# KiCad board panel.opm-inline.kicad_pcb (continued)
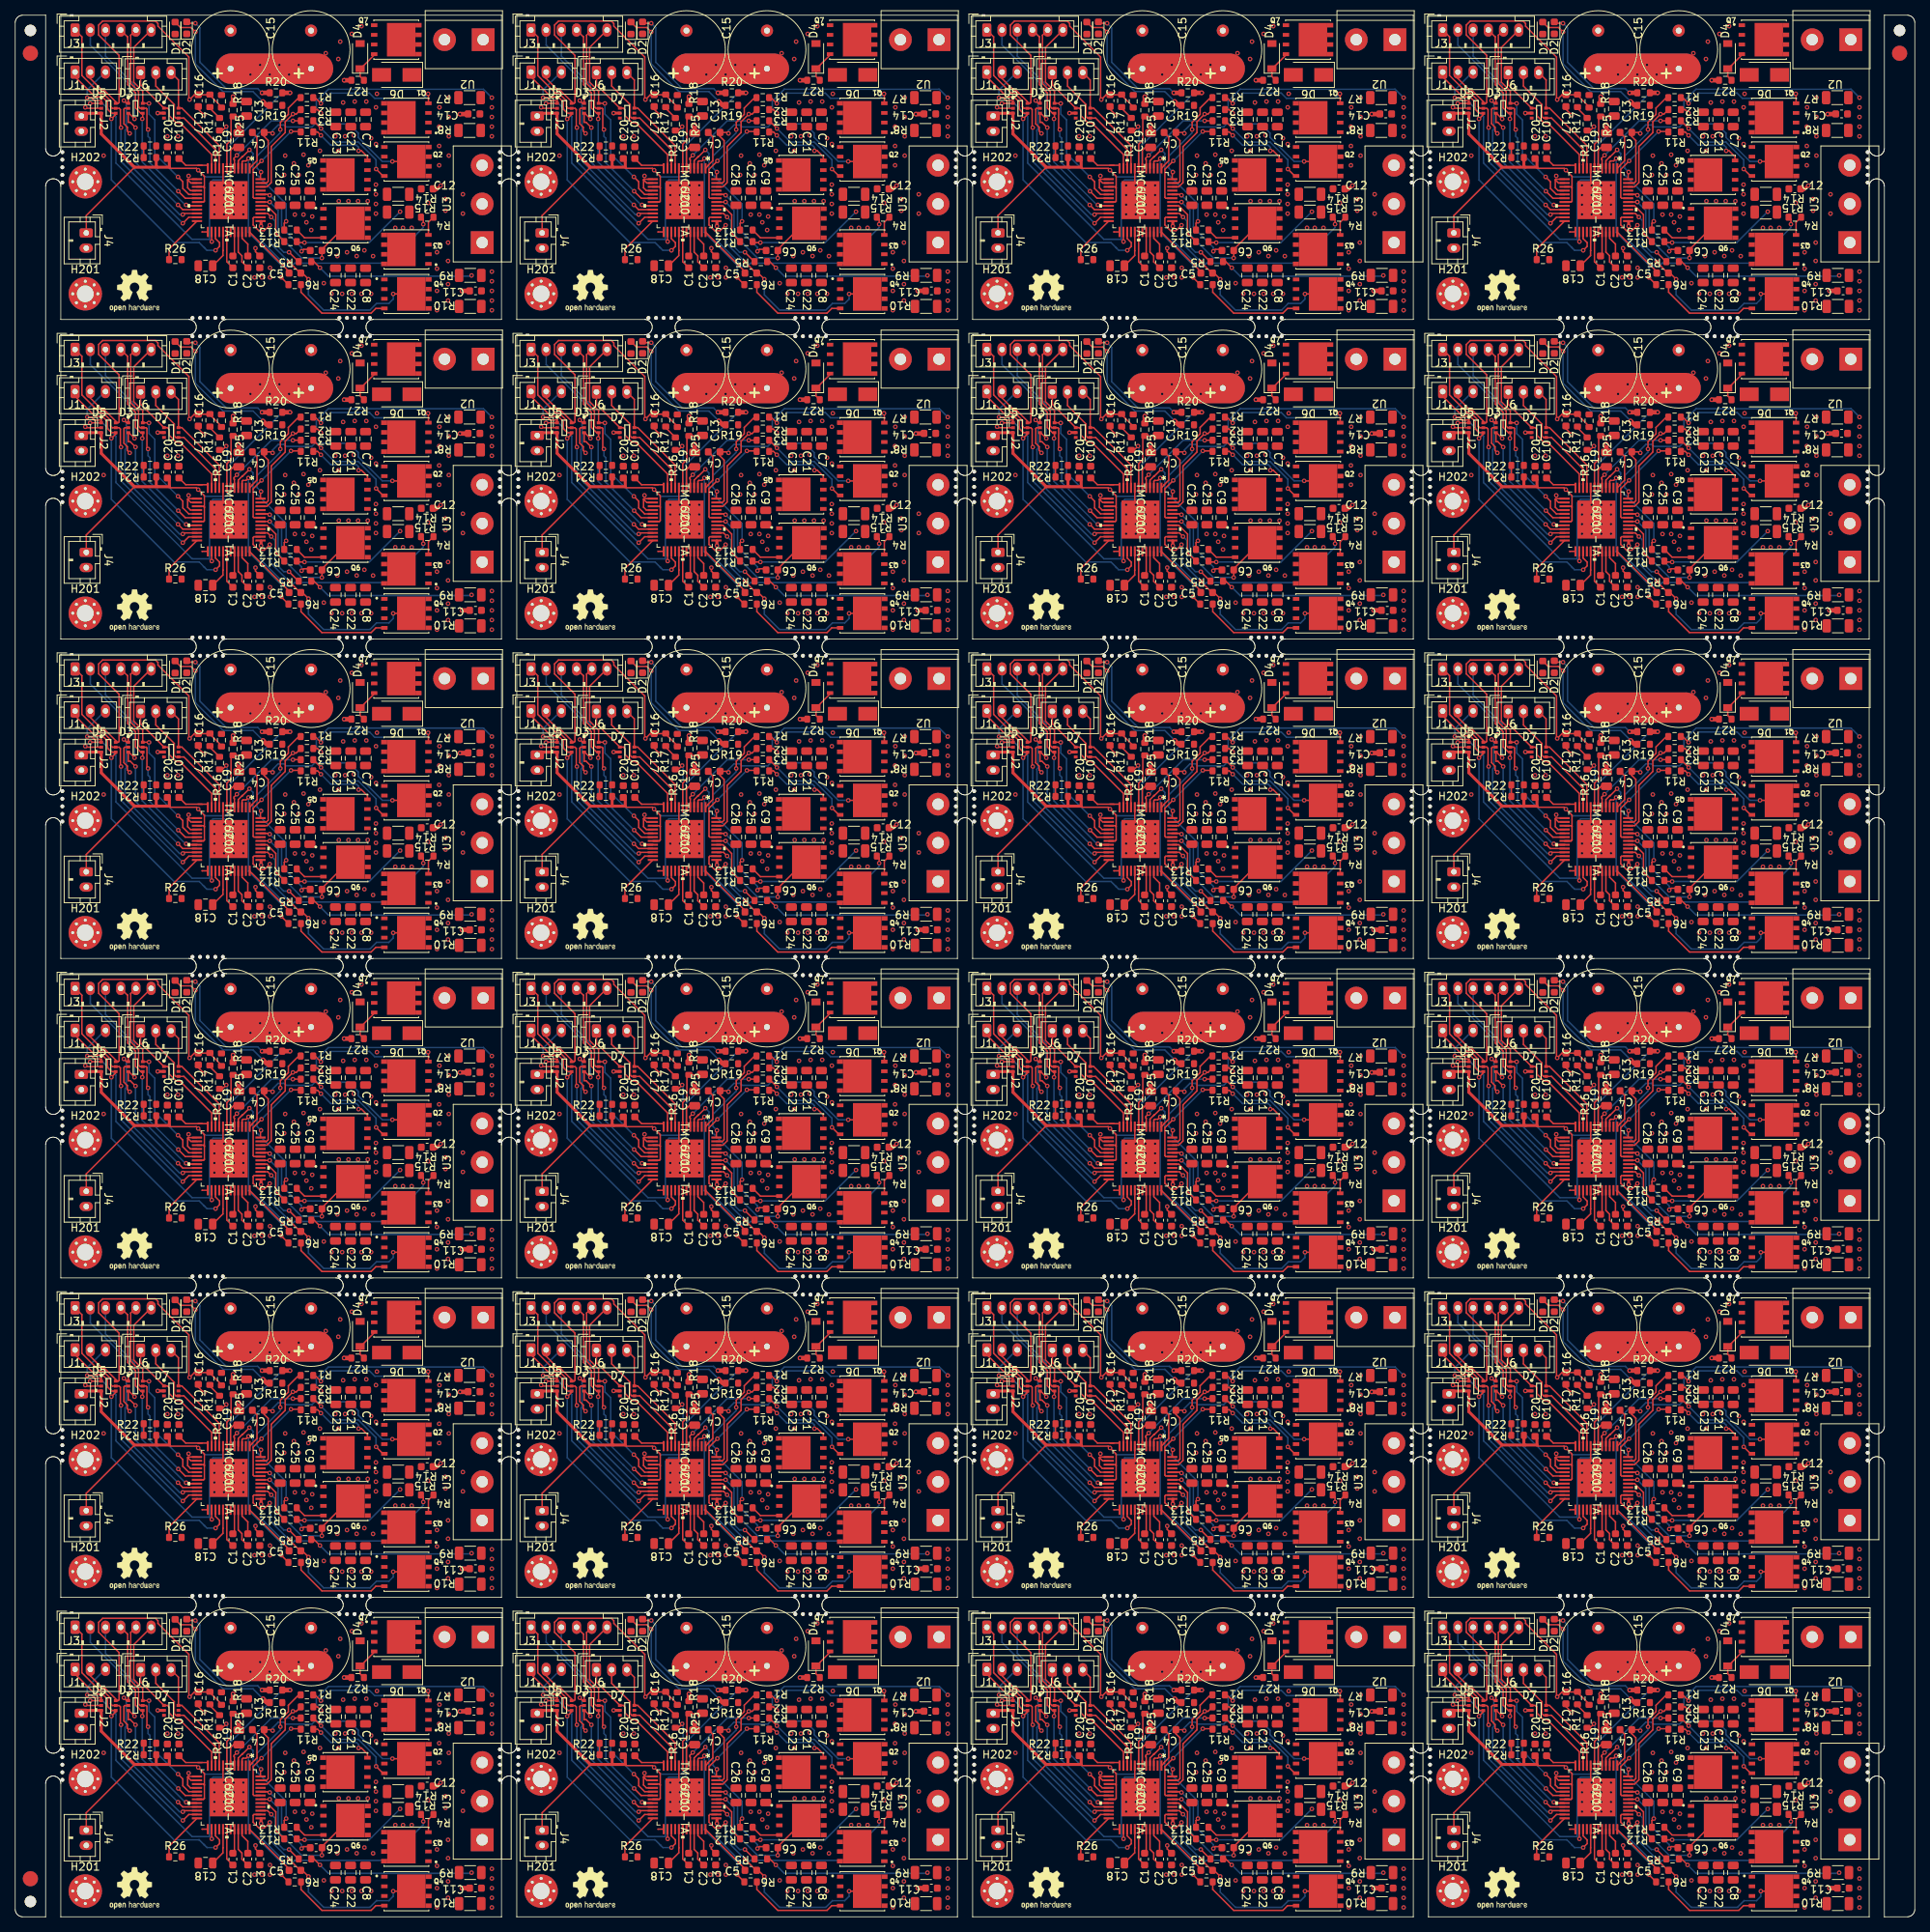
[diagram p0: board, top side]
## Routing (per net, layer and track width the routed paths; a pad name or vN(x,y) marks a point on that pad's centre or on a via; arc(x,y) is an arc through that point) (continued)
  Bottom w0.2: v1(93.42,57.44) 94.52,56.34 94.52,53.17 97.61,50.07 v1(100.28,50.07)
  vias: v1(102.5,57.56) v1(103.77,57.56) v1(105.04,57.56) v1(106.31,57.56) v1(107.38,59.73) v1(107.38,58.46) v1(107.38,57.19) v1(107.38,55.92)
Board_17-Net-(C6-Pad2): length 12.4
  Top w0.2: v1(97.61,50.96) 97.87,51.22 98.74,51.22 ; v1(93.42,58.33) 93.32,58.44 IC1#21.44 93.06,58.44
  Bottom w0.2: v1(97.61,50.96) 97.61,51.47 94.98,54.1 94.98,56.77 v1(93.42,58.33)
Board_17-Net-(D1-Pad2): length 19.4
  Top w0.2: R19#2.1 93.04,70.14 ; D1#18.2 81.69,80.38 83.06,80.38 v1(83.64,79.79)
  Top w0.6: 93.04,70.14 v1(92.53,70.65)
  Bottom w0.2: v1(83.64,79.79) 83.64,75.6 87.29,71.95 91.23,71.95 v1(92.53,70.65)
Board_17-Net-(D2-Pad2): length 17.4
  Top w0.2: v1(83.64,80.93) 82.68,80.93 D2#23.2
  Top w0.6: R20#18.1 v1(92.41,71.79)
  Bottom w0.2: v1(83.64,80.93) 84.24,80.33 84.24,75.81 87.7,72.35 91.84,72.35 v1(92.41,71.79)
Board_17-Net-(D4-Pad1): length 4.4
  Top w0.2: 105.36,74.97 107.16,76.77 Q7.4 ; D4#19.1 105.31,73.94 R27.1
Board_17-Net-(IC1-Pad3): length 20.6
  Top w0.2: v1(90.63,63.15) 90.31,62.84 89.9,62.84 89.78,62.72 IC1#21.3 ; v1(94.95,47.53) 94.95,47.51 R6#3.2
  Bottom w0.2: v1(90.63,63.15) 90.63,53.45 94.95,49.13 v1(94.95,47.53)
Board_17-Net-(IC1-Pad4): length 16.7
  Top w0.2: 89.78,63.37 89.87,63.45 ; 89.78,63.37 89.28,62.87 IC1#21.4 89.28,62.68 ; 89.78,63.37 89.82,63.37 v1(90.76,64.3) ; v1(95.58,54.9) 95.33,54.65 R13#22.2
  Bottom w0.2: v1(95.58,54.9) 95.58,57.19 91.23,61.54 91.23,63.82 v1(90.76,64.3)
Board_17-Net-(IC1-Pad5): length 12.2
  Top w0.2: v1(89.1,63.58) 88.72,63.2 88.72,63.03 88.78,62.97 IC1#21.5 ; R3#10.2 96.48,68.12 v1(96.47,68.11)
  Bottom w0.2: v1(89.1,63.58) 93.63,68.11 v1(96.47,68.11)
Board_17-Net-(IC1-Pad24): length 6.6
  Top w0.2: R26#24.1 80.18,51.26 IC1#21.24
Board_17-Net-(IC1-Pad37): length 28.9
  Top w0.2: v1(113.62,54.52) 113.62,55.14 R4#6.2 ; 92.28,54.87 IC1#21.37
  Top w0.4: v1(92.28,54.26) 92.28,54.87
  Bottom w0.2: v1(113.62,54.52) 113.62,54.09 108.92,49.4 96.69,49.4 96.25,48.97 95.67,48.97 92.28,52.36 v1(92.28,54.26)
Board_17-Net-(IC1-Pad39): length 9.3
  Top w0.2: 97.23,49.8 97,49.8 v1(95.96,50.84) ; v1(93.62,55.46) 93.15,55.94 IC1#21.39
  Bottom w0.2: v1(93.62,55.46) 94.12,54.96 94.12,51.97 95.26,50.84 v1(95.96,50.84)
Board_17-Net-(IC1-Pad41): length 6.5
  Top w0.2: IC1#21.41 93.06,56.94 94.22,55.78 94.22,53.34 R12#4.2
Board_17-Net-(IC1-Pad43): length 13.1
  Top w0.2: IC1#21.43 91.36,57.94 91.24,58.06 91.24,61.73 v1(92.34,62.84) ; v1(96.22,66.71) 97.44,66.71 R11#15.2
  Bottom w0.2: v1(92.34,62.84) v1(96.22,66.71)
Board_17-Net-(IC1-Pad46): length 13.1
  Top w0.2: IC1#21.46 93.06,59.44 93.62,59.99 93.62,64.73 95.45,66.57 95.45,67.98 96.47,69 v1(96.47,69) 96.91,69 R2#18.2
Board_17-Net-(IC1-Pad48): length 13.8
  Top w0.2: R1.2 97.23,71.16 95.87,69.79 95.87,68.96 94.82,67.91 v1(94.82,66.96) ; v1(92.28,61.38) 92.21,61.31 IC1#21.48
  Bottom w0.2: v1(94.82,66.96) 94.82,66.54 91.74,63.46 91.74,61.91 v1(92.28,61.38) 92.28,61.63
Board_17-Net-(Q1-Pad4): length 17.8
  Top w0.2: Q1#21.4 114.29,71.62 v1(114.25,71.66) ; R1.1 99.39,71.16 v1(100.15,70.39)
  Bottom w0.2: v1(114.25,71.66) 113.65,71.06 107.23,71.06 106.54,71.76 101.52,71.76 v1(100.15,70.39)
Board_17-Net-(Q2-Pad4): length 13.2
  Top w0.2: v1(107.41,61.77) 108.32,60.86 Q2#21.4 ; 100.28,66.99 v1(100.16,67.1) R3#10.1
  Bottom w0.2: v1(107.41,61.77) 107.41,62.98 105.07,65.31 101.95,65.31 v1(100.16,67.1)
Board_17-Net-(Q3-Pad4): length 2.6
  Top w0.2: R4#6.1 114.29,54.78 Q3#15.4
Board_17-Net-(Q4-Pad4): length 13.5
  Top w0.2: Q4#10.4 107.37,43.45 106.76,42.83 100.28,42.83 97.53,45.58 R6#3.1 97.73,46.58
Board_17-Net-(Q5-Pad4): length 9.2
  Top w0.2: v1(100.15,66.2) 99.71,66.65 R11#15.1 ; Q5.4 106.27,63.39 105.49,64.17 v1(105.11,64.17)
  Bottom w0.2: v1(100.15,66.2) 101.45,64.91 104.83,64.91 105.11,64.62 v1(105.11,64.17)
Board_17-Net-(Q6-Pad4): length 3.9
  Top w0.2: R13#22.1 97.99,52.74 Q6#22.4
Board_17-Net-(R16-Pad2): length 2
  Top w0.2: R16#2.2 85.55,69.76 R17#11.1
Board_18-/+VM: length 61.7
  Top w0.2: IC1#20.33 149.23,50.85 149.72,50.37 149.72,49.57 C2#2.1
  Top w0.6: R25#13.2 v1(148.55,71.28)
  Top w4: 148.29,74.97 159.72,74.97
  In1.Cu w4: 148.55,74.97 158.35,74.97
  In2.Cu w4: 148.29,74.97 159.72,74.97 148.29,74.97
  Bottom w4: 148.29,74.97 159.72,74.97
  vias: v1(150.83,74.2) v1(151.36,47.53) v1(152.1,75.47) v1(152.33,47.53) v1(153.37,74.2) v1(153.4,48.8) v1(153.4,47.53) v1(154.64,75.47) v1(155.28,61) v1(155.4,63.54) v1(155.91,74.2) v1(156.55,62.52) v1(157.18,75.47) v1(157.18,61) v1(157.82,63.66) v1(158.45,62.27) v1(159.98,64.17) v1(160.74,77) v1(162.26,50.34) v1(162.39,76.24) v1(162.39,64.17) v1(162.64,78.52) v1(163.02,70.52) v1(163.53,50.84) v1(164.17,79.54) v1(164.55,70.65) v1(164.8,50.34) v1(165.44,80.55) v1(165.82,51.09) v1(166.07,70.65) v1(166.96,50.33) v1(167.34,69.89) v1(167.47,71.66) v1(169.88,54.05) v1(170.9,54.05) v1(172.04,54.05)
Board_18-/ADC_I_u: length 15.5
  Top w0.2: IC1#20.9 146.73,64.86 141.82,69.77 D7#9.6 141.37,73.48 J6#23.3
Board_18-/ADC_I_v: length 17.7
  Top w0.2: 146.17,62.35 146.23,62.29 IC1#20.10 146.23,64.33 142.08,68.47 D7#9.4 141.03,68.47 140.82,68.68 140.82,70.25 138.39,72.68 J6#23.2 138.89,73.95
Board_18-/ADC_I_w: length 17
  Top w0.2: IC1#20.11 145.73,63.68 141.56,67.85 141.08,67.85 140.16,68.77 140.16,69.53 139.92,69.77 D7#9.1 136.39,72.86 J6#23.1
Board_18-/Connectors/VOFS: length 1.8
  Top w0.2: R22#17.1 R21#12.2 ; 136.48,63.15 136.8,63.15
Board_18-/DRV_EN: length 38.5
  Top w0.2: v1(132.54,68.36) 133.11,68.93 D5#13.4 132.56,69.11 132.04,69.63 132.04,70.58 131.34,71.27 130.4,71.27 127.77,73.9 J1#16.1 ; v1(146.25,51.09) 146.77,51.61 146.77,52.1 146.23,52.63 IC1#20.27 146.23,53.09 146.25,53.07
  Bottom w0.2: 144.74,51.47 144.86,51.34 ; 144.74,51.47 144.1,52.11 140.78,52.11 132.54,60.34 v1(132.54,68.36) ; 144.74,51.47 145.12,51.09 v1(146.25,51.09)
Board_18-/FAULT: length 63.4
  Top w0.2: v1(129.75,70.39) 129.77,70.41 D5#13.1 131.21,70.72 ; 131.27,70.77 130.33,70.77 129.95,71.16 v1(129.37,71.16) ; v1(145.75,52.23) 145.73,52.25 IC1#20.26
  Top w0.6: R20#22.2 v1(156.04,71.79)
  Bottom w0.2: 133.05,68.74 132.83,68.96 ; 133.05,68.74 133.14,68.65 133.14,62.56 143.17,52.53 145.45,52.53 ; 133.05,68.74 131.4,70.39 v1(129.75,70.39) ; 145.45,52.53 v1(145.75,52.23) ; 145.45,52.53 145.45,59.87 145.92,60.34 147.95,60.34 148.18,60.58 148.18,64.95 R20#22.2 v1(156.04,71.79) ; J1#16.3 131.71,74.52 129.37,72.17 v1(129.37,71.16)
Board_18-/Motor Driver/VOFS: length 4.7
  Top w0.2: 143.94,62.27 145.21,62.27 ; C10#18.1 142.32,62.27 144.48,62.27
Board_18-/TEMP_PCB: length 42.5
  Top w0.2: 133.11,77.16 133.1,77.17 ; 133.1,77.17 133.56,76.71 133.56,70.52 133.45,70.41 D5#13.6 133.11,70.63 131.68,72.07 131.38,72.07 129.77,73.67 J1#16.2 ; 133.1,77.17 130.87,79.4 130.87,80.69 131.4,81.22 138.35,81.22 138.67,80.9 138.67,80.56 142.74,76.49 142.74,70.99 v1(142.83,70.9) 143.47,71.54 C17#8.1 145.47,71.54 R17#3.2 145.5,71.47 147.02,69.95
Board_18-/U: length 27.2
  Top w0.2: R2#10.1 159.64,69.59 v1(160.1,69.12)
  Bottom w0.2: v1(182.58,71.16) 181.47,72.26 161.09,72.26 159.5,70.68 159.5,69.72 v1(160.1,69.12)
  vias: v1(182.58,69.89) v1(182.58,68.62) v1(182.58,67.35) v1(182.58,66.08)
Board_18-/UH: length 27.5
  Top w0.2: v1(141.31,60.74) 141.94,60.11 141.94,59.22 142.72,58.44 IC1#20.17 ; 137.77,79.69 J3#6.6 135.49,77.76 135.49,73.19 136.67,72.01 D3#24.6 137.48,70.41 v1(137.5,70.39)
  Bottom w0.2: v1(137.5,70.39) 137.5,69 138.26,68.24 138.26,63.79 v1(141.31,60.74)
Board_18-/UL: length 27.4
  Top w0.2: v1(137.37,66.96) 137.22,67.12 137.22,69.66 137.12,69.76 D3#24.5 136.33,69.76 136.12,69.97 136.12,71.97 135.97,72.11 135.97,72.14 135.09,73.02 135.09,79.36 J3#6.5 ; IC1#20.18 142.26,57.94 v1(141.34,58.86)
  Bottom w0.2: v1(137.37,66.96) 137.37,66.08 137.62,65.82 137.62,62.57 v1(141.34,58.86)
Board_18-/V: length 15.3
  Top w0.2: R12#8.1 157.05,52.11 v1(157.94,52.11)
  Bottom w0.2: v1(170.52,56.17) 166.45,52.11 v1(157.94,52.11)
  vias: v1(174.2,57.31) v1(176.49,57.82) v1(176.49,56.3) v1(178.77,58.46) v1(178.77,55.92)
Board_18-/VH: length 30.4
  Top w0.2: v1(142.38,57.06) 142.5,56.94 IC1#20.20 142.93,56.94 ; D3#24.4 136.41,69.11 135.72,69.8 135.72,71.79 135.32,72.19 135.32,72.23 134.69,72.86 134.69,79.16 134.66,79.16 J3#6.4 ; D3#24.4 136.47,69.11 ; D3#24.4 136.67,68.3
  Bottom w0.2: 136.61,68.23 136.61,62.7 142.38,56.94 142.19,56.94 142.19,57.05 ; 134.32,79.5 J3#6.4
  vias: v1(136.61,68.36)
Board_18-/VL: length 32.1
  Top w0.2: IC1#20.21 141.93,56.44 v1(141.31,57.06) ; v1(135.59,68.36) 134.85,69.11 D3#24.3 ; 134.83,69.05 D3#24.3 ; D3#24.3 134.77,67.91 135.02,67.91 v1(135.72,67.22)
  Bottom w0.2: v1(135.59,68.36) 135.59,72.81 131.77,76.63 J3#6.3 ; v1(141.31,57.06) 135.72,62.65 v1(135.72,67.22)
Board_18-/VSA: length 5
  Top w0.2: C18#24.1 147.22,50.41 147.22,51.05 147.23,51.06 IC1#20.29
Board_18-/W: length 21.9
  Top w0.2: 158.86,49.82 158.83,49.8 ; R5#4.1 159.18,49.6 v1(159.98,48.8)
  Bottom w0.2: v1(159.98,48.8) 161.08,47.7 179.82,47.7 v1(179.92,47.79)
  vias: v1(182.58,48.3) v1(182.58,47.03) v1(182.58,45.76) v1(182.58,44.49) v1(182.58,43.22)
Board_18-/WH: length 33.7
  Top w0.2: v1(134.2,70.77) 134.56,70.41 D3#24.1 ; IC1#20.22 142.09,55.94 v1(141.94,55.79) ; D3#24.1 134.7,70.47 ; D3#24.1 134.77,71.22 v1(134.96,71.41)
  Bottom w0.2: 134.81,62.5 141.52,55.79 v1(141.94,55.79) ; 134.81,62.5 134.36,62.95 134.36,66.87 134.5,67.01 134.5,70.47 v1(134.2,70.77) ; 134.81,62.5 134.7,62.6 ; 133.41,74.42 133.21,74.62 ; 133.21,74.62 129.77,78.06 J3#6.2 ; 133.21,74.62 134.61,73.22 ; 134.7,73.13 134.61,73.22 ; 134.61,73.22 134.96,72.88 v1(134.96,71.41)
Board_18-/WL: length 34.8
  Top w0.2: IC1#20.23 142.73,55.44 v1(141.94,54.65) ; v1(133.81,67.22) 133.73,67.3 133.73,69.59 133.56,69.76 D5#13.5 132.66,69.76 132.44,69.99 132.44,70.74 131.51,71.67 131.07,71.67 128.67,74.07 128.67,79.15 J3#6.1 127.79,80.05
  Bottom w0.2: v1(141.94,54.65) 133.81,62.77 v1(133.81,67.22) ; 127.77,79.5 J3#6.1
Board_18-GND: length 31.2
  Top w0.2: 179.44,69 C14#6.2 ; C17#8.2 143.97,69.63 v1(144.74,68.87) ; D5#13.2 129.24,69.76 v1(129.12,69.89) ; 144.48,53.5 144.49,53.51 IC1#20.25 145.23,53.4 ; 149.73,59.44 IC1#20.EPAD ; IC1#20.EPAD 147.23,58.44 IC1#20.8 ; IC1#20.EPAD 145.73,55.44 ; v1(134.96,66.46) 134.66,66.76 134.66,67.26 134.2,67.73 134.2,69.63 134.32,69.76 D3#24.2 ; C3#7.2 151.49,50.91 v1(151.49,51.37) ; IC1#20.13 142.65,60.44 142.58,60.36 ; IC1#20.14 143,59.94 142.58,60.36 ; 142.58,60.36 142.58,59.31 142.95,58.94 IC1#20.16
  Top w0.4: 174.85,59.09 175.34,59.09 v1(175.85,59.6) ; D7#9.2 v1(138.64,69.12)
  Top w0.6: v1(163.15,73.44) R27#24.2 ; v1(178.65,45.76) C11#5.2 ; v1(178.39,69) 179.44,69 ; C19#15.2 v1(149.31,67.6)
  vias: v1(131.53,63.54) v1(139.91,66.08) v1(141.31,66.08) v1(142.7,60.87) v1(146.09,59.63) v1(146.09,58.36) v1(146.09,57.09) v1(146.09,55.82) v1(147.36,59.63) v1(147.36,58.36) v1(147.36,57.09) v1(147.36,55.82) v1(148.63,59.63) v1(148.63,58.36) v1(148.63,57.09) v1(148.63,55.82) v1(149.9,59.63) v1(149.9,58.36) v1(149.9,57.09) v1(149.9,55.82) v1(156.67,55.79) v1(157.82,55.79) v1(158.2,54.77) v1(158.83,53.76) v1(158.96,55.53) v1(160.48,46.77) v1(161.5,45.37) v1(162.01,66.08) v1(162.9,45.37) v1(163.28,66.08) v1(164.17,45.37) v1(164.42,66.2) v1(165.44,45.37) v1(166.71,65.82) v1(166.71,45.37) v1(167.34,65.06)
Board_18-Net-(C1-Pad1): length 5
  Top w0.2: IC1#20.30 147.73,49.59 C1#3.1
Board_18-Net-(C1-Pad2): length 3.2
  Top w0.2: C1#3.2 148.73,50.56 IC1#20.32
Board_18-Net-(C2-Pad2): length 3.5
  Top w0.2: IC1#20.34 149.73,52.67 150.49,51.91 C2#2.2
Board_18-Net-(C4-Pad1): length 31
  Top w0.2: C4#12.1 152.64,66.11 ; C4#12.1 153.63,66.58 v1(153.75,66.46) ; C4#12.1 152.64,66.05 153.17,65.51 153.17,60.16 152.95,59.94 IC1#20.47 ; v1(169.5,62.77) 169.51,62.77 Q2#3.5
  Bottom w0.2: v1(153.75,66.46) 153.75,66.84 154.48,67.56 155.24,67.56 155.5,67.31 158.93,67.31 159.32,67.7 163.81,67.7 165.02,66.49 165.02,65.93 168.18,62.77 v1(169.5,62.77)
  vias: v1(175.69,69.89) v1(175.65,67.35) v1(175.65,64.81) v1(175.65,62.27) v1(176.92,71.16) v1(176.92,68.62) v1(176.92,66.08) v1(176.92,63.54)
Board_18-Net-(C4-Pad2): length 5.4
  Top w0.2: C4#12.2 151.69,65.98 151.69,62.87 151.09,62.27 151.09,62.22 IC1#20.1
Board_18-Net-(C5-Pad1): length 7.4
  Top w0.2: IC1#20.36 150.73,53.48 155.91,48.3
Board_18-Net-(C5-Pad2): length 31.7
  Top w0.2: v1(169.61,45.36) Q4#3.5 ; v1(158.47,47.29) 157.66,48.1 C5#21.2 ; v1(153.37,54.39) 152.65,53.66 151.94,53.66 151.19,54.42 151.19,55.32 151.31,55.44 IC1#20.38 ; 157.46,48.3 157.18,48.3 v1(155.91,49.57)
  Bottom w0.2: v1(153.37,54.39) 153.47,54.29 153.47,52.01 v1(155.91,49.57) ; v1(169.61,45.36) 169.61,44.67 169.04,44.1 167.41,44.1 166.54,43.23 160.46,43.23 158.47,45.23 v1(158.47,47.29)
  vias: v1(175.36,50.84) v1(175.36,48.68) v1(175.36,45.76) v1(175.36,43.22) v1(176.82,52.11) v1(176.82,49.69) v1(176.82,46.64) v1(176.82,44.49)
Board_18-Net-(C6-Pad1): length 19.3
  Top w0.2: v1(153.37,57.44) 153.37,57.44 IC1#20.42 ; Q6#19.5 163.67,54.65 160.24,51.22 160.24,50.09 v1(160.23,50.07)
  Bottom w0.2: v1(153.37,57.44) 154.47,56.34 154.47,53.17 157.56,50.07 v1(160.23,50.07)
  vias: v1(162.45,57.56) v1(163.72,57.56) v1(164.99,57.56) v1(166.26,57.56) v1(167.33,59.73) v1(167.33,58.46) v1(167.33,57.19) v1(167.33,55.92)
Board_18-Net-(C6-Pad2): length 12.4
  Top w0.2: v1(157.56,50.96) 157.82,51.22 158.69,51.22 ; v1(153.37,58.33) 153.27,58.44 IC1#20.44 153.01,58.44
  Bottom w0.2: v1(157.56,50.96) 157.56,51.47 154.93,54.1 154.93,56.77 v1(153.37,58.33)
Board_18-Net-(D1-Pad2): length 19.4
  Top w0.2: R19#12.1 152.99,70.14 ; D1#16.2 141.64,80.38 143.01,80.38 v1(143.59,79.79)
  Top w0.6: 152.99,70.14 v1(152.48,70.65)
  Bottom w0.2: v1(143.59,79.79) 143.59,75.6 147.24,71.95 151.18,71.95 v1(152.48,70.65)
Board_18-Net-(D2-Pad2): length 17.4
  Top w0.2: v1(143.59,80.93) 142.63,80.93 D2#24.2
  Top w0.6: R20#22.1 v1(152.36,71.79)
  Bottom w0.2: v1(143.59,80.93) 144.19,80.33 144.19,75.81 147.65,72.35 151.79,72.35 v1(152.36,71.79)
Board_18-Net-(D4-Pad1): length 4.4
  Top w0.2: 165.31,74.97 167.11,76.77 Q7#22.4 ; D4#17.1 165.26,73.94 R27#24.1
Board_18-Net-(IC1-Pad3): length 20.6
  Top w0.2: v1(150.58,63.15) 150.26,62.84 149.85,62.84 149.73,62.72 IC1#20.3 ; v1(154.9,47.53) 154.9,47.51 R6#24.2
  Bottom w0.2: v1(150.58,63.15) 150.58,53.45 154.9,49.13 v1(154.9,47.53)
Board_18-Net-(IC1-Pad4): length 16.7
  Top w0.2: 149.73,63.37 149.82,63.45 ; 149.73,63.37 149.23,62.87 IC1#20.4 149.23,62.68 ; 149.73,63.37 149.77,63.37 v1(150.71,64.3) ; v1(155.53,54.9) 155.28,54.65 R13#3.2
  Bottom w0.2: v1(155.53,54.9) 155.53,57.19 151.18,61.54 151.18,63.82 v1(150.71,64.3)
Board_18-Net-(IC1-Pad5): length 12.2
  Top w0.2: v1(149.05,63.58) 148.67,63.2 148.67,63.03 148.73,62.97 IC1#20.5 ; R3.2 156.43,68.12 v1(156.42,68.11)
  Bottom w0.2: v1(149.05,63.58) 153.58,68.11 v1(156.42,68.11)
Board_18-Net-(IC1-Pad24): length 6.6
  Top w0.2: R26#7.1 140.13,51.26 IC1#20.24
Board_18-Net-(IC1-Pad37): length 28.9
  Top w0.2: v1(173.57,54.52) 173.57,55.14 R4#2.2 ; 152.23,54.87 IC1#20.37
  Top w0.4: v1(152.23,54.26) 152.23,54.87
  Bottom w0.2: v1(173.57,54.52) 173.57,54.09 168.87,49.4 156.64,49.4 156.2,48.97 155.62,48.97 152.23,52.36 v1(152.23,54.26)
Board_18-Net-(IC1-Pad39): length 9.3
  Top w0.2: 157.18,49.8 156.95,49.8 v1(155.91,50.84) ; v1(153.57,55.46) 153.1,55.94 IC1#20.39
  Bottom w0.2: v1(153.57,55.46) 154.07,54.96 154.07,51.97 155.21,50.84 v1(155.91,50.84)
Board_18-Net-(IC1-Pad41): length 6.5
  Top w0.2: IC1#20.41 153.01,56.94 154.17,55.78 154.17,53.34 R12#8.2
Board_18-Net-(IC1-Pad43): length 13.1
  Top w0.2: IC1#20.43 151.31,57.94 151.19,58.06 151.19,61.73 v1(152.29,62.84) ; v1(156.17,66.71) 157.39,66.71 R11#20.2
  Bottom w0.2: v1(152.29,62.84) v1(156.17,66.71)
Board_18-Net-(IC1-Pad46): length 13.1
  Top w0.2: IC1#20.46 153.01,59.44 153.57,59.99 153.57,64.73 155.4,66.57 155.4,67.98 156.42,69 v1(156.42,69) 156.86,69 R2#10.2
Board_18-Net-(IC1-Pad48): length 13.8
  Top w0.2: R1#19.2 157.18,71.16 155.82,69.79 155.82,68.96 154.77,67.91 v1(154.77,66.96) ; v1(152.23,61.38) 152.16,61.31 IC1#20.48
  Bottom w0.2: v1(154.77,66.96) 154.77,66.54 151.69,63.46 151.69,61.91 v1(152.23,61.38) 152.23,61.63
Board_18-Net-(Q1-Pad4): length 17.8
  Top w0.2: Q1#4.4 174.24,71.62 v1(174.2,71.66) ; R1#19.1 159.34,71.16 v1(160.1,70.39)
  Bottom w0.2: v1(174.2,71.66) 173.6,71.06 167.18,71.06 166.49,71.76 161.47,71.76 v1(160.1,70.39)
Board_18-Net-(Q2-Pad4): length 13.2
  Top w0.2: v1(167.36,61.77) 168.27,60.86 Q2#3.4 ; 160.23,66.99 v1(160.11,67.1) R3.1
  Bottom w0.2: v1(167.36,61.77) 167.36,62.98 165.02,65.31 161.9,65.31 v1(160.11,67.1)
Board_18-Net-(Q3-Pad4): length 2.6
  Top w0.2: R4#2.1 174.24,54.78 Q3#4.4
Board_18-Net-(Q4-Pad4): length 13.5
  Top w0.2: Q4#3.4 167.32,43.45 166.71,42.83 160.23,42.83 157.48,45.58 R6#24.1 157.68,46.58
Board_18-Net-(Q5-Pad4): length 9.2
  Top w0.2: v1(160.1,66.2) 159.66,66.65 R11#20.1 ; Q5#24.4 166.22,63.39 165.44,64.17 v1(165.06,64.17)
  Bottom w0.2: v1(160.1,66.2) 161.4,64.91 164.78,64.91 165.06,64.62 v1(165.06,64.17)
Board_18-Net-(Q6-Pad4): length 3.9
  Top w0.2: R13#3.1 157.94,52.74 Q6#19.4
Board_18-Net-(R16-Pad2): length 2
  Top w0.2: R16#17.2 145.5,69.76 R17#3.1
Board_19-/+VM: length 61.7
  Top w0.2: IC1#18.33 209.18,50.85 209.67,50.37 209.67,49.57 C2#22.1
  Top w0.6: R25#20.2 v1(208.5,71.28)
  Top w4: 208.24,74.97 219.67,74.97
  In1.Cu w4: 208.5,74.97 218.3,74.97
  In2.Cu w4: 208.24,74.97 219.67,74.97 208.24,74.97
  Bottom w4: 208.24,74.97 219.67,74.97
  vias: v1(210.78,74.2) v1(211.31,47.53) v1(212.05,75.47) v1(212.28,47.53) v1(213.32,74.2) v1(213.35,48.8) v1(213.35,47.53) v1(214.59,75.47) v1(215.23,61) v1(215.35,63.54) v1(215.86,74.2) v1(216.5,62.52) v1(217.13,75.47) v1(217.13,61) v1(217.77,63.66) v1(218.4,62.27) v1(219.93,64.17) v1(220.69,77) v1(222.21,50.34) v1(222.34,76.24) v1(222.34,64.17) v1(222.59,78.52) v1(222.97,70.52) v1(223.48,50.84) v1(224.12,79.54) v1(224.5,70.65) v1(224.75,50.34) v1(225.39,80.55) v1(225.77,51.09) v1(226.02,70.65) v1(226.91,50.33) v1(227.29,69.89) v1(227.42,71.66) v1(229.83,54.05) v1(230.85,54.05) v1(231.99,54.05)
Board_19-/ADC_I_u: length 15.5
  Top w0.2: IC1#18.9 206.68,64.86 201.77,69.77 D7#19.6 201.32,73.48 J6#17.3
Board_19-/ADC_I_v: length 17.7
  Top w0.2: 206.12,62.35 206.18,62.29 IC1#18.10 206.18,64.33 202.03,68.47 D7#19.4 200.98,68.47 200.77,68.68 200.77,70.25 198.34,72.68 J6#17.2 198.84,73.95
Board_19-/ADC_I_w: length 17
  Top w0.2: IC1#18.11 205.68,63.68 201.51,67.85 201.03,67.85 200.11,68.77 200.11,69.53 199.87,69.77 D7#19.1 196.34,72.86 J6#17.1
Board_19-/Connectors/VOFS: length 1.8
  Top w0.2: R22#8.1 R21#4.2 ; 196.43,63.15 196.75,63.15
Board_19-/DRV_EN: length 38.5
  Top w0.2: v1(192.49,68.36) 193.06,68.93 D5#23.4 192.51,69.11 191.99,69.63 191.99,70.58 191.29,71.27 190.35,71.27 187.72,73.9 J1#21.1 ; v1(206.2,51.09) 206.72,51.61 206.72,52.1 206.18,52.63 IC1#18.27 206.18,53.09 206.2,53.07
  Bottom w0.2: 204.69,51.47 204.81,51.34 ; 204.69,51.47 204.05,52.11 200.73,52.11 192.49,60.34 v1(192.49,68.36) ; 204.69,51.47 205.07,51.09 v1(206.2,51.09)
Board_19-/FAULT: length 63.4
  Top w0.2: v1(189.7,70.39) 189.72,70.41 D5#23.1 191.16,70.72 ; 191.22,70.77 190.28,70.77 189.9,71.16 v1(189.32,71.16) ; v1(205.7,52.23) 205.68,52.25 IC1#18.26
  Top w0.6: R20#17.2 v1(215.99,71.79)
  Bottom w0.2: 193,68.74 192.78,68.96 ; 193,68.74 193.09,68.65 193.09,62.56 203.12,52.53 205.4,52.53 ; 193,68.74 191.35,70.39 v1(189.7,70.39) ; 205.4,52.53 v1(205.7,52.23) ; 205.4,52.53 205.4,59.87 205.87,60.34 207.9,60.34 208.13,60.58 208.13,64.95 R20#17.2 v1(215.99,71.79) ; J1#21.3 191.66,74.52 189.32,72.17 v1(189.32,71.16)
Board_19-/Motor Driver/VOFS: length 4.7
  Top w0.2: 203.89,62.27 205.16,62.27 ; C10#19.1 202.27,62.27 204.43,62.27
Board_19-/TEMP_PCB: length 42.5
  Top w0.2: 193.06,77.16 193.05,77.17 ; 193.05,77.17 193.51,76.71 193.51,70.52 193.4,70.41 D5#23.6 193.06,70.63 191.63,72.07 191.33,72.07 189.72,73.67 J1#21.2 ; 193.05,77.17 190.82,79.4 190.82,80.69 191.35,81.22 198.3,81.22 198.62,80.9 198.62,80.56 202.69,76.49 202.69,70.99 v1(202.78,70.9) 203.42,71.54 C17#11.1 205.42,71.54 R17#10.2 205.45,71.47 206.97,69.95
Board_19-/U: length 27.2
  Top w0.2: R2#6.1 219.59,69.59 v1(220.05,69.12)
  Bottom w0.2: v1(242.53,71.16) 241.42,72.26 221.04,72.26 219.45,70.68 219.45,69.72 v1(220.05,69.12)
  vias: v1(242.53,69.89) v1(242.53,68.62) v1(242.53,67.35) v1(242.53,66.08)
Board_19-/UH: length 27.5
  Top w0.2: v1(201.26,60.74) 201.89,60.11 201.89,59.22 202.67,58.44 IC1#18.17 ; 197.72,79.69 J3#10.6 195.44,77.76 195.44,73.19 196.62,72.01 D3#7.6 197.43,70.41 v1(197.45,70.39)
  Bottom w0.2: v1(197.45,70.39) 197.45,69 198.21,68.24 198.21,63.79 v1(201.26,60.74)
Board_19-/UL: length 27.4
  Top w0.2: v1(197.32,66.96) 197.17,67.12 197.17,69.66 197.07,69.76 D3#7.5 196.28,69.76 196.07,69.97 196.07,71.97 195.92,72.11 195.92,72.14 195.04,73.02 195.04,79.36 J3#10.5 ; IC1#18.18 202.21,57.94 v1(201.29,58.86)
  Bottom w0.2: v1(197.32,66.96) 197.32,66.08 197.57,65.82 197.57,62.57 v1(201.29,58.86)
Board_19-/V: length 15.3
  Top w0.2: R12#13.1 217,52.11 v1(217.89,52.11)
  Bottom w0.2: v1(230.47,56.17) 226.4,52.11 v1(217.89,52.11)
  vias: v1(234.15,57.31) v1(236.44,57.82) v1(236.44,56.3) v1(238.72,58.46) v1(238.72,55.92)
Board_19-/VH: length 30.4
  Top w0.2: v1(202.33,57.06) 202.45,56.94 IC1#18.20 202.88,56.94 ; D3#7.4 196.36,69.11 195.67,69.8 195.67,71.79 195.27,72.19 195.27,72.23 194.64,72.86 194.64,79.16 194.61,79.16 J3#10.4 ; D3#7.4 196.42,69.11 ; D3#7.4 196.62,68.3
  Bottom w0.2: 196.56,68.23 196.56,62.7 202.33,56.94 202.14,56.94 202.14,57.05 ; 194.27,79.5 J3#10.4
  vias: v1(196.56,68.36)
Board_19-/VL: length 32.1
  Top w0.2: IC1#18.21 201.88,56.44 v1(201.26,57.06) ; v1(195.54,68.36) 194.8,69.11 D3#7.3 ; 194.78,69.05 D3#7.3 ; D3#7.3 194.72,67.91 194.97,67.91 v1(195.67,67.22)
  Bottom w0.2: v1(195.54,68.36) 195.54,72.81 191.72,76.63 J3#10.3 ; v1(201.26,57.06) 195.67,62.65 v1(195.67,67.22)
Board_19-/VSA: length 5
  Top w0.2: C18#14.1 207.17,50.41 207.17,51.05 207.18,51.06 IC1#18.29
Board_19-/W: length 21.9
  Top w0.2: 218.81,49.82 218.78,49.8 ; R5.1 219.13,49.6 v1(219.93,48.8)
  Bottom w0.2: v1(219.93,48.8) 221.03,47.7 239.77,47.7 v1(239.87,47.79)
  vias: v1(242.53,48.3) v1(242.53,47.03) v1(242.53,45.76) v1(242.53,44.49) v1(242.53,43.22)
Board_19-/WH: length 33.7
  Top w0.2: v1(194.15,70.77) 194.51,70.41 D3#7.1 ; IC1#18.22 202.04,55.94 v1(201.89,55.79) ; D3#7.1 194.65,70.47 ; D3#7.1 194.72,71.22 v1(194.91,71.41)
  Bottom w0.2: 194.76,62.5 201.47,55.79 v1(201.89,55.79) ; 194.76,62.5 194.31,62.95 194.31,66.87 194.45,67.01 194.45,70.47 v1(194.15,70.77) ; 194.76,62.5 194.65,62.6 ; 193.36,74.42 193.16,74.62 ; 193.16,74.62 189.72,78.06 J3#10.2 ; 193.16,74.62 194.56,73.22 ; 194.65,73.13 194.56,73.22 ; 194.56,73.22 194.91,72.88 v1(194.91,71.41)
Board_19-/WL: length 34.8
  Top w0.2: IC1#18.23 202.68,55.44 v1(201.89,54.65) ; v1(193.76,67.22) 193.68,67.3 193.68,69.59 193.51,69.76 D5#23.5 192.61,69.76 192.39,69.99 192.39,70.74 191.46,71.67 191.02,71.67 188.62,74.07 188.62,79.15 J3#10.1 187.74,80.05
  Bottom w0.2: v1(201.89,54.65) 193.76,62.77 v1(193.76,67.22) ; 187.72,79.5 J3#10.1
Board_19-GND: length 31.2
  Top w0.2: 239.39,69 C14#23.2 ; C17#11.2 203.92,69.63 v1(204.69,68.87) ; D5#23.2 189.19,69.76 v1(189.07,69.89) ; 204.43,53.5 204.44,53.51 IC1#18.25 205.18,53.4 ; 209.68,59.44 IC1#18.EPAD ; IC1#18.EPAD 207.18,58.44 IC1#18.8 ; IC1#18.EPAD 205.68,55.44 ; v1(194.91,66.46) 194.61,66.76 194.61,67.26 194.15,67.73 194.15,69.63 194.27,69.76 D3#7.2 ; C3#2.2 211.44,50.91 v1(211.44,51.37) ; IC1#18.13 202.6,60.44 202.53,60.36 ; IC1#18.14 202.95,59.94 202.53,60.36 ; 202.53,60.36 202.53,59.31 202.9,58.94 IC1#18.16
  Top w0.4: 234.8,59.09 235.29,59.09 v1(235.8,59.6) ; D7#19.2 v1(198.59,69.12)
  Top w0.6: v1(223.1,73.44) R27#11.2 ; v1(238.6,45.76) C11#16.2 ; v1(238.34,69) 239.39,69 ; C19#24.2 v1(209.26,67.6)
  vias: v1(191.48,63.54) v1(199.86,66.08) v1(201.26,66.08) v1(202.65,60.87) v1(206.04,59.63) v1(206.04,58.36) v1(206.04,57.09) v1(206.04,55.82) v1(207.31,59.63) v1(207.31,58.36) v1(207.31,57.09) v1(207.31,55.82) v1(208.58,59.63) v1(208.58,58.36) v1(208.58,57.09) v1(208.58,55.82) v1(209.85,59.63) v1(209.85,58.36) v1(209.85,57.09) v1(209.85,55.82) v1(216.62,55.79) v1(217.77,55.79) v1(218.15,54.77) v1(218.78,53.76) v1(218.91,55.53) v1(220.43,46.77) v1(221.45,45.37) v1(221.96,66.08) v1(222.85,45.37) v1(223.23,66.08) v1(224.12,45.37) v1(224.37,66.2) v1(225.39,45.37) v1(226.66,65.82) v1(226.66,45.37) v1(227.29,65.06)
Board_19-Net-(C1-Pad1): length 5
  Top w0.2: IC1#18.30 207.68,49.59 C1#19.1
Board_19-Net-(C1-Pad2): length 3.2
  Top w0.2: C1#19.2 208.68,50.56 IC1#18.32
Board_19-Net-(C2-Pad2): length 3.5
  Top w0.2: IC1#18.34 209.68,52.67 210.44,51.91 C2#22.2
Board_19-Net-(C4-Pad1): length 31
  Top w0.2: C4#18.1 212.59,66.11 ; C4#18.1 213.58,66.58 v1(213.7,66.46) ; C4#18.1 212.59,66.05 213.12,65.51 213.12,60.16 212.9,59.94 IC1#18.47 ; v1(229.45,62.77) 229.46,62.77 Q2#15.5
  Bottom w0.2: v1(213.7,66.46) 213.7,66.84 214.43,67.56 215.19,67.56 215.45,67.31 218.88,67.31 219.27,67.7 223.76,67.7 224.97,66.49 224.97,65.93 228.13,62.77 v1(229.45,62.77)
  vias: v1(235.6,67.35) v1(235.6,64.81) v1(235.6,62.27) v1(235.64,69.89) v1(236.87,71.16) v1(236.87,68.62) v1(236.87,66.08) v1(236.87,63.54)
